# Altium PCB PCB1.PcbDoc (part 4 of 5)
Units mm, origin at the board's own origin, x right, y up, seen from the top; angles counter-clockwise.
Board outline 140 x 90 mm, 6 copper layers (Top Layer, GND, Power, Layer 4, GND2, Bottom Layer), stack 1.503 mm thick; 176 components, 276 nets, 1448 pads, 686 vias.
Unrouted connection lines stored in the file: 7.
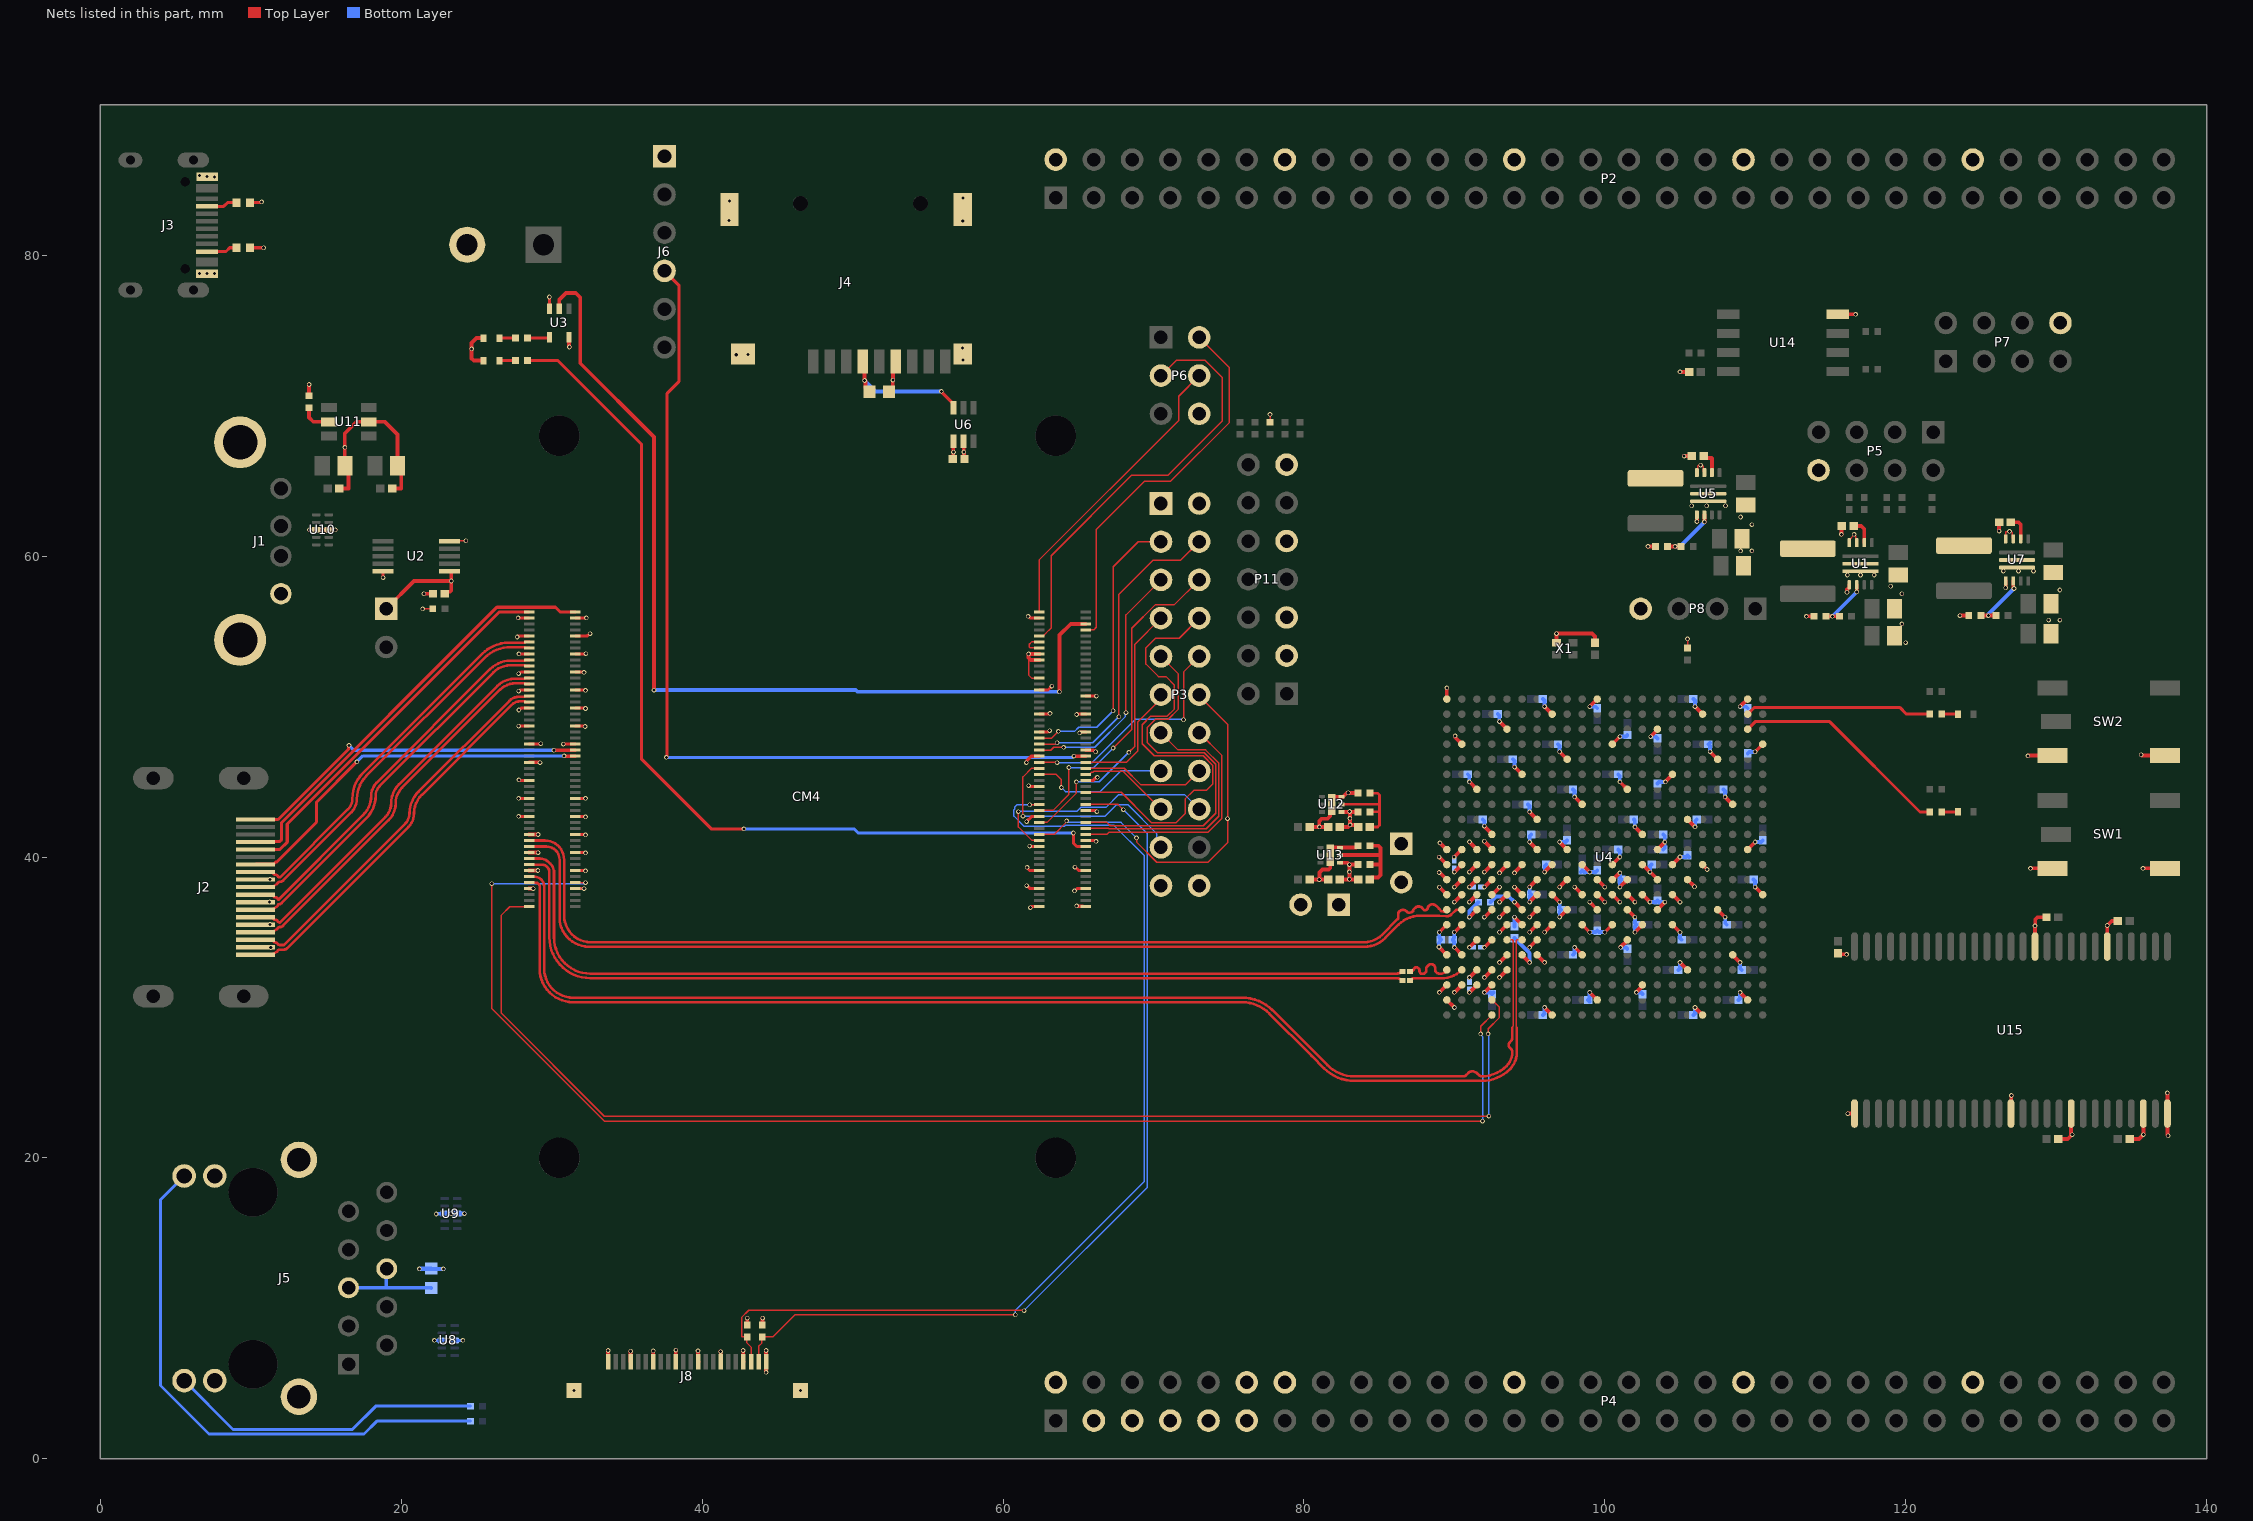
[diagram p8: the nets of this part, all layers, seen from the top]

## Via types
v1: diameter 0.305, hole 0.203, Top Layer to Bottom Layer, 686 vias

## Nets (pads, with @x,y where several pads share a name; then routed paths per layer and width w, separated by ;. In a path a pad name is that pad's centre, name@x,y a point inside that pad or via, vN(x,y) a via of type N, cw(c..) or ccw(c..) an arc to the next point about the centre after c; other vN are vias at no path point) (continued)
GND: C1.1 C4.1 C5.2 C6.2 C7.2 C8.2 C9.1 C10.2 C11.2 C12.2 C13.1 C14.1 C15.2 C16.2 C17.1 C18.1 C19.1 C20.2 C21.2 C22.2 C24.2 C25.2 C26.2 C27.2 C28.2 C29.1 C30.1 C31.1 C32.2 C33.2 C34.2 C35.2 C36.1 C37.1 C39.2 C40.2 C41.2 C42.2 C43.1 C44.1 C45.1 C46.2 C47.2 C48.2 C49.2 C50.2 C51.2 C52.2 C53.2 C54.2 C55.2 C56.1 C57.2 C58.2 C59.2 C60.1 C61.1 C62.1 C63.1 C64.2 C65.2 C66.2 C67.1 C68.1 C69.2 C70.2 C71.2 C72.2 C73.1 C74.1 C75.2 C76.2 C77.2 C78.2 C79.1 C80.1 C81.2 C82.1 C83.2 C84.1 C85.1 C86.2 C87.2 C88.2 C89.2 C90.2 C91.2 CM4.1 CM4.2 CM4.7 CM4.8 CM4.13 CM4.14 CM4.22 CM4.23 CM4.32 CM4.33 CM4.42 CM4.43 CM4.52 CM4.53 CM4.59 CM4.60 CM4.65 CM4.66 CM4.71 CM4.74 CM4.98 CM4.107 CM4.108 CM4.113 CM4.114 CM4.119 CM4.120 CM4.125 CM4.126 CM4.131 CM4.132 CM4.137 CM4.138 CM4.144 CM4.150 CM4.155 CM4.156 CM4.161 CM4.162 CM4.167 CM4.168 CM4.173 CM4.174 CM4.179 CM4.180 CM4.185 CM4.186 CM4.191 CM4.192 CM4.197 CM4.198 J1.4 J1.Shell J2.2 J2.5 J2.8 J2.11 J3.A1/B12 J3.A12/B1 J4.6 J4.MT1 J4.MT2 J4.MT3 J4.MT4 J5.11 J5.12 J6.1 J7.2 J8.1 J8.4 J8.7 J8.10 J8.13 J8.16 J8.19 J8.MP1 J8.MP2 P2.2 P2.14 P2.26 P2.38 P2.50 P3.21 P3.22 P4.2 P4.3 P4.5 P4.7 P4.9 P4.11 P4.12 P4.14 P4.26 P4.38 P4.50 P5.8 P6.6 P7.8 P8.4 P9.2 P10.2 P11.3 P11.5 P11.9 P11.13 R1.1 R2.1 R5.2 R6.2 R8.1 R13.1 R18.1 R25.1 R27.1 R32.1 R33.1 SW1.1 SW1.2 SW2.1 SW2.2 U1.3 U1.4 U1.10 U1.11 U2.5 U2.10 U3.3 U4.A2 U4.A3 U4.A5 U4.A7 U4.A9 U4.A10 U4.A11 U4.A12 U4.A22 U4.AA2 U4.AA12 U4.AA22 U4.AB9 U4.AB19 U4.B3 U4.B10 U4.B12 U4.B19 U4.C3 U4.C6 U4.C9 U4.C10 U4.C11 U4.C12 U4.C16 U4.D3 U4.D4 U4.D8 U4.D9 U4.D11 U4.D12 U4.D13 U4.E4 U4.E5 U4.E7 U4.E9 U4.E11 U4.E20 U4.F5 U4.F11 U4.F17 U4.G5 U4.G6 U4.G7 U4.G8 U4.G9 U4.G10 U4.G12 U4.G14 U4.H1 U4.H7 U4.H9 U4.H11 U4.H21 U4.J8 U4.J10 U4.J12 U4.J18 U4.K5 U4.K7 U4.K9 U4.K11 U4.K15 U4.L2 U4.L8 U4.L9 U4.L10 U4.L22 U4.M7 U4.M9 U4.M10 U4.M11 U4.M19 U4.N6 U4.N8 U4.N9 U4.N10 U4.N16 U4.P3 U4.P7 U4.P9 U4.P11 U4.P13 U4.R8 U4.R10 U4.R12 U4.R20 U4.T7 U4.T9 U4.T11 U4.T17 U4.U4 U4.U10 U4.U14 U4.V1 U4.V11 U4.V21 U4.W8 U4.W18 U4.Y5 U4.Y15 U5.3 U5.4 U5.10 U5.11 U6.2 U7.3 U7.4 U7.10 U7.11 U8.3@22.708,7.875 U8.8@23.543,7.875 U9.3@23.717,16.3 U9.8@22.882,16.3 U10.3@15.185,61.75 U10.8@14.35,61.75 U11.2 U12.3 U12.7 U13.3 U13.7 U14.4 U15.6 U15.12 U15.28 U15.41 U15.46 U15.52 U15.54 X1.2 | length 225.6
  Top Layer w0.1: v1(21.425,56.5) R2.1@22.1,56.5 ; U2.5@23.2,61 23.225,61.025 v1(24.3,61.025) ; R32.1@77.75,68.9 v1(77.75,69.425) ; R33.1@105.5,53.9 v1(105.5,54.5) ; U5.11@106.125,65.55 106.175,65.6 106.175,65.991 106.234,66.05 v1(106.375,66.05) 106.475,66.05 106.558,65.967 106.558,65.617 U5.10@106.625,65.55 ; U1.11@116.25,60.9 116.25,61.082 116.575,61.407 v1(116.575,61.45) 116.683,61.342 116.683,60.967 U1.10@116.75,60.9 ; U7.11@126.65,61.15 126.65,61.6 126.661,61.611 126.861,61.611 v1(126.9,61.65) 127,61.65 127.1,61.55 127.1,61.2 U7.10@127.15,61.15
  Top Layer w0.203: R6.2@9.95,80.5 v1(10.85,80.5) ; R5.2@9.95,83.5 10.648,83.5 10.698,83.55 v1(10.725,83.55) ; v1(18.8,58.575) U2.10@18.8,59 ; v1(27.7,54.625) 27.727,54.625 27.802,54.7 CM4.192@28.5,54.7 ; v1(27.775,55.9) CM4.198@28.5,55.9 ; v1(27.8,42.7) CM4.132@28.5,42.7 ; v1(27.8,43.9) CM4.138@28.5,43.9 ; v1(27.8,48.7) CM4.162@28.5,48.7 ; v1(27.8,51.025) 27.828,51.025 27.902,51.1 CM4.174@28.5,51.1 ; v1(27.8,52.189) ccw(c27.752,52.387) 27.896,52.243 27.951,52.298 28.498,52.298 CM4.180@28.5,52.3 ; v1(27.825,45.125) 27.853,45.125 27.876,45.102 28.498,45.102 CM4.144@28.5,45.1 ; v1(27.825,49.775) 27.853,49.775 27.976,49.898 28.498,49.898 CM4.168@28.5,49.9 ; v1(27.825,53.5) CM4.186@28.5,53.5 ; CM4.150@28.5,46.3 29.172,46.3 29.197,46.275 v1(29.225,46.275) ; CM4.156@28.5,47.5 29.206,47.5 29.248,47.542 v1(29.275,47.542) ; U3.3@29.85,76.45 v1(29.85,77.225) ; v1(30.775,47.5) CM4.155@31.58,47.5 ; CM4.107@31.58,37.9 31.582,37.898 v1(32.149,37.898) ; CM4.113@31.58,39.1 31.582,39.098 32.199,39.098 32.223,39.075 v1(32.25,39.075) ; CM4.119@31.58,40.3 31.582,40.298 32.199,40.298 32.223,40.275 v1(32.25,40.275) ; CM4.125@31.58,41.5 31.582,41.498 32.199,41.498 32.223,41.475 v1(32.25,41.475) ; CM4.131@31.58,42.7 31.582,42.698 32.199,42.698 32.223,42.675 v1(32.25,42.675) ; CM4.137@31.58,43.9 v1(32.25,43.9) ; CM4.161@31.58,48.7 31.582,48.698 32.174,48.698 32.197,48.675 v1(32.225,48.675) ; CM4.167@31.58,49.9 31.582,49.898 32.199,49.898 32.223,49.875 v1(32.25,49.875) ; CM4.173@31.58,51.1 31.582,51.098 32.199,51.098 32.223,51.075 v1(32.25,51.075) ; CM4.179@31.58,52.3 31.582,52.298 32.099,52.298 32.123,52.275 v1(32.15,52.275) ; CM4.185@31.58,53.5 31.582,53.502 32.224,53.502 32.248,53.525 v1(32.275,53.525) ; CM4.191@31.58,54.7 32.372,54.7 32.523,54.851 v1(32.551,54.851) ; CM4.197@31.58,55.9 v1(32.3,55.9) ; v1(61.55,46.272) 61.55,46.347 61.569,46.366 61.569,46.394 61.875,46.7 CM4.52@62.42,46.7 ; v1(61.575,38.1) 61.603,38.1 61.801,37.902 62.418,37.902 CM4.8@62.42,37.9 ; v1(61.575,42.349) 61.575,42.372 61.902,42.698 CM4.32@62.172,42.698 ; v1(61.6,39.315) 61.6,39.275 61.775,39.1 CM4.14@62.42,39.1 ; v1(61.675,56) 61.702,56 61.803,55.9 CM4.98@62.42,55.9 ; v1(61.7,44.75) 61.727,44.75 61.778,44.7 CM4.42@62.42,44.7 ; v1(61.775,40.725) 61.803,40.725 61.826,40.702 62.418,40.702 CM4.22@62.42,40.7 ; v1(61.817,36.631) 61.844,36.631 61.911,36.698 62.418,36.698 CM4.2@62.42,36.7 ; CM4.60@62.42,48.3 CM4.60@62.42,48.3 63.002,48.302 v1(63.1,48.4) ; CM4.66@62.42,49.5 63.051,49.5 63.098,49.547 v1(63.125,49.547) ; CM4.74@62.42,51.1 62.986,51.1 v1(63.248,51.362) ; v1(64.75,37.75) 64.766,37.75 64.916,37.9 CM4.7@65.5,37.9 ; v1(64.775,39.325) 64.803,39.325 65.026,39.102 CM4.13@65.5,39.1 CM4.13@65.5,39.1 ; v1(64.9,36.75) 64.919,36.731 65.306,36.731 65.306,36.702 65.307,36.7 CM4.1@65.5,36.7 ; v1(64.9,49.475) 64.927,49.475 64.951,49.498 CM4.65@65.5,49.5 CM4.65@65.5,49.5 ; v1(65.089,48.253) 65.117,48.253 65.162,48.298 65.498,48.298 CM4.59@65.5,48.3 ; CM4.23@65.5,41.1 65.502,41.098 66.105,41.098 66.163,41.041 v1(66.191,41.041) ; CM4.33@65.5,43.1 66.131,43.1 66.211,43.02 v1(66.238,43.02) ; CM4.43@65.5,45.1 65.502,45.102 66.002,45.102 66.199,45.299 66.273,45.299 v1(66.275,45.301) ; CM4.53@65.5,47.1 65.502,47.098 66.029,47.098 66.127,47 v1(66.155,47) ; CM4.71@65.5,50.7 66.2,50.7 v1(66.2,50.697) ; v1(32.149,37.898) 32.172,37.875 v1(32.149,37.898)
  Top Layer w0.254: R1.1@13.874,70.658 v1(13.874,71.408) ; v1(13.9,61.75) U10.8@14.35,61.75 v1(14.75,61.75) U10.3@15.185,61.75 v1(15.625,61.75) ; C85.1@15.89,64.5 16.5,64.5 16.5,65.75 C86.2@16.25,66 v1(16.25,67.23) 16.25,68.165 17.015,68.93 U11.2@17.84,68.93 18.888,68.93 18.91,68.908 18.924,68.908 19.75,68.082 C83.2@19.75,66 20,65.75 20,64.5 C63.1@19.39,64.5 ; v1(21.5,57.5) C56.1@22.11,57.5 ; CM4.108@28.5,37.9 v1(28.775,37.9) ; CM4.114@28.5,39.1 29.081,39.1 v1(29.086,39.105) ; CM4.120@28.5,40.3 29.09,40.3 v1(29.097,40.294) ; CM4.126@28.5,41.5 v1(29.1,41.5) ; J8.1@33.75,6.45 v1(33.75,7.2) ; J8.4@35.25,6.45 v1(35.25,7.15) ; J8.7@36.75,6.45 v1(36.75,7.175) ; J8.10@38.25,6.45 v1(38.25,7.225) ; v1(39.725,7.175) 39.735,7.165 39.735,6.466 J8.13@39.75,6.45 ; v1(41.225,7.125) 41.235,7.115 41.235,6.466 J8.16@41.25,6.45 ; v1(42.725,7.2) 42.735,7.19 42.735,6.466 J8.19@42.75,6.45 ; C46.2@52.425,70.925 52.675,71.175 v1(52.675,71.7) 52.685,71.71 52.685,72.76 J4.6@52.875,72.95 ; U6.2@57.375,67.65 57.39,67.635 57.39,66.935 v1(57.4,66.925) 57.41,66.915 57.41,66.48 C60.1@57.44,66.45 ; C62.1@80.39,38.5 81.014,38.5 v1(81.019,38.494) 81.025,38.5 C45.1@81.61,38.5 ; C61.1@80.39,42 v1(81.025,42) ; v1@81.035,38.574 81.035,38.976 81.234,39.175 81.65,39.175 81.75,39.275 81.75,40.115 U13.7@81.76,40.125 81.76,40.502 81.883,40.625 U13.3@82.41,40.625 ; C31.1@81.61,42 v1(81.025,42) ; U13.3@82.483,40.625 83.475,40.625 R27.1@83.6,40.75 ; R25.1@83.6,44.25 83.585,44.265 82.96,44.265 v1(82.95,44.275) 82.856,44.275 82.581,44 U12.3@82.51,44 81.983,44 81.86,43.877 U12.7@81.86,43.5 81.737,43.377 81.737,42.712 81.575,42.55 81.175,42.55 81.026,42.401 81.026,42.001 v1(81.025,42) ; v1(88.979,34.021) U4.A5@89.5,33.5 ; v1(88.988,39.997) 88.996,39.997 89.493,39.5 U4.A11@89.5,39.5 ; v1(88.99,38.97) 89.03,38.97 U4.A10@89.5,38.5 ; v1(89,31) U4.A3@89.5,31.5 ; v1(89,35) U4.A7@89.5,35.5 ; v1(89.008,37.992) U4.A9@89.5,37.5 ; v1(89.034,40.94) 89.047,40.94 89.487,40.5 U4.A12@89.5,40.5 ; U4.A2@89.5,30.5 v1(90,30) ; U4.A22@89.5,50.5 v1(89.5,51.25) ; v1(89.985,39.994) 89.99,39.994 90.496,40.5 U4.B12@90.5,40.5 ; v1(90,31) U4.B3@90.5,31.5 ; v1(90,38) U4.B10@90.5,38.5 ; v1(90.051,48.051) 90.061,48.042 90.061,47.953 90.5,47.515 U4.B19@90.5,47.5 ; v1(91,31) U4.C3@91.5,31.5 ; v1(91,34) 91.009,34 91.504,34.496 U4.C6@91.5,34.5 ; v1(91,37) U4.C9@91.5,37.5 ; v1(91,38) U4.C10@91.5,38.5 ; v1(91,39) U4.C11@91.5,39.5 ; v1(91,45) U4.C16@91.5,44.5 ; v1(91.01,41.01) 91.01,41 91.5,40.51 U4.C12@91.5,40.5 ; v1(92,31) U4.D3@92.5,31.5 ; v1(92,32) U4.D4@92.5,32.5 ; v1(92,36) U4.D8@92.5,36.5 ; v1(92,39) U4.D11@92.5,39.5 ; v1(92,41.051) 92,41.037 92.5,40.537 U4.D12@92.5,40.5 ; v1(92,42.051) 92,42.038 92.5,41.538 U4.D13@92.5,41.5 ; U4.D9@92.5,37.5 92.5,37.486 93,37.986 v1(93,38) ; v1(93,32) U4.E4@93.5,32.5 ; v1(93,33) U4.E5@93.5,33.5 ; v1(93,35) U4.E7@93.5,35.5 ; v1(93,37) U4.E9@93.5,37.5 ; v1(93,38.949) 93,38.962 93.5,39.462 U4.E11@93.5,39.5 ; v1(93,49) U4.E20@93.5,48.5 ; v1(94,38.949) 94,38.962 94.5,39.462 U4.F11@94.5,39.5 ; v1(94.005,45.977) 94.014,45.977 94.491,45.5 U4.F17@94.5,45.5 ; U4.F5@94.5,33.5 v1(95,33) ; v1(95,34) U4.G6@95.5,34.5 ; v1(95,35) U4.G7@95.5,35.5 ; v1(95,36) U4.G8@95.5,36.5 ; v1(95,37) U4.G9@95.5,37.5 ; v1(95,38) U4.G10@95.5,38.5 ; v1(95,41) U4.G12@95.5,40.5 ; v1(95,43) U4.G14@95.5,42.5 ; U4.G5@95.5,33.5 v1(96,33) ; v1(96,35) U4.H7@96.5,35.5 ; v1(96,39) U4.H11@96.5,39.5 ; v1(96,50) U4.H21@96.5,49.5 ; v1(96.005,30.005) 96.005,30 96.5,29.505 U4.H1@96.5,29.5 ; U4.H9@96.501,37.5 U4.H9@96.5,37.5 v1(97,37) ; X1.2@96.792,54.25 v1(96.792,54.85) 99.144,54.85 99.342,54.651 C9.1@99.342,54.24 ; v1(97,36) U4.J8@97.5,36.5 ; v1@97,37.999 v1(97,38) U4.J10@97.5,38.5 ; v1(97,41) U4.J12@97.5,40.5 ; v1(97,47) U4.J18@97.5,46.5 ; v1(98,34) U4.K5@98.5,33.5 ; v1(98,38) U4.K9@98.5,37.5 ; v1(98,44) U4.K15@98.5,43.5 ; U4.K7@98.5,35.5 v1(99,35) ; U4.K11@98.5,39.5 v1(99,39) ; v1(99,31) U4.L2@99.5,30.5 ; v1(99,37) U4.L8@99.5,36.5 ; v1(99,50) U4.L22@99.5,50.5 ; U4.L9@99.5,37.5 v1(100,37) ; U4.L10@99.5,38.5 v1(100,38) ; v1(100,35) U4.M7@100.5,35.5 ; U4.M9@100.5,37.5 v1(101,37) ; U4.M10@100.5,38.5 100.538,38.5 100.986,38.949 v1(101,38.949) ; U4.M11@100.5,39.5 v1(101,40) ; U4.M19@100.5,47.5 v1(101,48) ; v1(101,38) U4.N10@101.5,38.5 ; v1(101,45) U4.N16@101.5,44.5 ; v1(101.051,34) 101.051,34.014 101.5,34.462 U4.N6@101.5,34.5 ; U4.N8@101.5,36.5 v1(102,36) ; U4.N9@101.5,37.5 v1(102,37) ; v1(102,35) U4.P7@102.5,35.5 ; v1(102,42) U4.P13@102.5,41.5 ; v1(102.094,31) 102.104,31.01 102.104,31.037 102.5,31.433 U4.P3@102.5,31.5 ; U4.P9@102.5,37.5 v1(103,37) ; U4.P11@102.5,39.5 v1(103,39) 103.018,39 103.518,38.5 U4.R10@103.5,38.5 ; v1(102.875,60.65) R13.1@103.375,60.65 ; v1(103.051,48) 103.051,48.014 103.5,48.462 U4.R20@103.5,48.5 ; U4.R8@103.5,36.5 v1(104,37) ; U4.R12@103.5,40.5 v1(104,41) ; v1(104.03,45.002) 104.03,45.016 104.5,45.486 U4.T17@104.5,45.5 ; U4.T7@104.5,35.5 v1(105,35) ; U4.T9@104.5,37.5 v1(105,37) ; U4.T11@104.5,39.5 v1(105,40) ; v1(105,33) U4.U4@105.5,32.5 ; v1(105,72.25) C82.1@105.61,72.25 ; v1(105.275,66.65) C52.2@105.785,66.65 ; U4.U10@105.5,38.5 105.5,38.495 105.964,38.032 v1(105.964,38.027) ; U4.U14@105.5,42.5 v1(106,42) ; v1(106,30) U4.V1@106.5,29.5 ; v1(106,50) U4.V21@106.5,49.5 ; v1@106.12,62.295 v1(106.12,62.305) 106.123,62.308 106.123,62.748 U5.4@106.125,62.75 ; U4.V11@106.5,39.5 106.5,39.483 106.8,39.184 v1(106.8,39.17) ; v1(107,47.001) U4.W18@107.5,46.5 ; U4.W8@107.5,36.5 v1(107.999,36.001) ; v1(108,44) U4.Y15@108.5,43.5 ; U4.Y5@108.5,33.5 v1(109,33) ; v1(109,31) U4.AA2@109.5,30.5 ; v1(109,50) U4.AA22@109.5,50.5 ; U4.AA12@109.5,40.5 v1(110,41) ; v1(110,38) U4.AB9@110.5,37.5 ; v1(110,47) U4.AB19@110.5,47.5 ; v1(113.4,56) R8.1@113.9,56 ; C90.2@115.5,33.61 115.575,33.535 116.065,33.535 v1(116.075,33.525) ; U14.4@115.5,76.08 115.503,76.077 116.672,76.077 v1(116.675,76.075) ; v1(115.725,61.45) 115.735,61.46 115.735,61.975 C49.2@115.76,62 ; v1(116.1,57.6) 116.11,57.61 116.11,57.789 116.25,57.929 U1.4@116.25,58.1 ; v1(116.15,22.95) U15.28@116.6,22.95 ; v1(123.6,56.05) R18.1@124.2,56.05 ; v1(126.21,61.66) C55.2@126.21,62.25 ; v1(126.65,57.9) U7.4@126.65,58.35 ; U15.41@127,22.95 127.015,22.965 127.015,24.14 v1(127.025,24.15) ; v1(128.125,46.725) 128.139,46.725 128.164,46.75 SW2.1@129.75,46.75 ; v1(128.3,39.25) SW1.1@129.75,39.25 ; U15.12@128.6,34.05 v1(128.6,35.425) 128.61,35.435 128.61,35.851 128.759,36 C89.2@129.36,36 ; C87.2@130.14,21.25 130.775,21.25 131,21.475 U15.46@131,22.95 ; U15.6@133.4,34.05 v1(133.4,35.451) 133.699,35.75 C91.2@134.11,35.75 ; C88.2@134.89,21.25 135.5,21.25 v1(135.8,21.55) U15.52@135.8,22.95 ; v1(135.65,46.8) 135.664,46.8 135.714,46.75 SW2.2@137.25,46.75 ; v1(135.775,39.25) SW1.2@137.25,39.25 ; v1(137.4,24.325) U15.54@137.4,22.95 137.4,21.525 v1(137.45,21.475)
  Bottom Layer w0.203: v1(22.2,7.875) U8.3@22.708,7.875 v1(23.125,7.875) v1(24.1,7.875) U8.8@23.543,7.875
  Bottom Layer w0.254: C1.1@22,12.65 21.239,12.65 21.214,12.625 v1(21.2,12.625) 21.225,12.6 21.993,12.6 22.018,12.625 v1(22.8,12.625) ; v1(22.325,16.275) 22.335,16.285 22.867,16.285 U9.8@22.882,16.3 v1(23.325,16.3) v1(24.2,16.3) ; v1(88.979,34.021) 88.979,34.185 cw(c89.425,34.185) C84.1@89.11,34.5 ; v1(89,35) 89,34.766 ccw(c89.376,34.766) C84.1@89.11,34.5 ; v1(90,30) v1@90.01,29.99 ; C72.2@90.89,45.5 90.99,45.4 90.99,45.01 v1(91,45) ; C73.1@91.89,42.5 91.99,42.4 91.99,42.061 v1(92,42.051) ; v1@91.99,32.01 v1(92,32) ; v1@91.99,35.99 v1(92,36) ; v1(92,31) 92.01,30.99 92.4,30.99 C75.2@92.5,30.89 C75.2@92.6,30.99 ; C70.2@92.89,49.5 92.99,49.4 92.99,49.01 v1(93,49) ; v1@92.99,37.99 v1(93,38) ; v1(93,35) v1@93.01,35.01 ; C69.2@93.89,46.5 93.995,46.395 93.995,45.987 v1(94.005,45.977) ; C4.1@94,34.61 95,33.61 v1(95,33) ; C71.2@94.89,43.5 94.99,43.4 94.99,43.01 v1(95,43) ; v1@94.99,37.01 v1(95,37) 95.01,37.01 95.01,37.4 C11.2@95.11,37.5 95.01,37.6 95.01,37.99 v1(95,38) ; v1(95,41) 95.01,41.01 95.01,41.4 C18.1@95.11,41.5 ; C78.2@95.89,29.5 95.995,29.605 95.995,29.995 v1(96.005,30.005) ; C74.1@95.89,50.5 95.99,50.4 95.99,50.01 v1(96,50) ; v1(96,39) 96.01,39.01 96.01,39.4 C17.1@96.11,39.5 ; C27.2@96.89,47.5 96.99,47.4 96.99,47.01 v1(97,47) ; v1(97,36) 97.01,36.01 97.01,36.4 C12.2@97.11,36.5 97.01,36.6 97.01,36.99 v1(97,37) ; v1(97,41) 97.01,41.01 97.395,41.01 C30.1@97.496,41.11 ; C79.1@97.89,33.5 97.99,33.6 97.99,33.99 v1(98,34) ; C28.2@97.89,44.5 97.99,44.4 97.99,44.01 v1(98,44) ; C15.2@98.4,39.01 C15.2@98.5,39.11 98.6,39.01 98.99,39.01 v1(99,39) 99.01,39.01 99.4,39.01 C19.1@99.5,39.11 ; C76.2@98.995,30.395 C76.2@98.89,30.5 98.99,30.6 98.99,30.99 v1(99,31) ; v1(99,35) 99.01,35.01 99.4,35.01 C14.1@99.5,35.11 99.6,35.01 99.99,35.01 v1(100,35) ; v1(99,50) 99.01,49.99 99.4,49.99 C26.2@99.5,49.89 ; C81.2@100.89,40.5 100.99,40.4 100.99,40.01 v1(101,40) v1@101.01,39.99 ; C25.2@100.89,45.5 100.99,45.4 100.99,45.01 v1(101,45) ; v1(101,38) 101.01,38.01 101.01,38.4 C16.2@101.11,38.5 101.01,38.6 101.01,38.939 v1(101,38.949) ; v1(101,48) 101.01,48.01 101.4,48.01 C29.1@101.5,48.11 ; v1(101.051,34) 101.061,33.99 101.4,33.99 C77.2@101.5,33.89 ; C39.2@101.934,42.5 101.99,42.444 101.99,42.01 v1(102,42) ; v1(102,35) 102.01,35.01 102.01,35.4 C13.1@102.11,35.5 102.01,35.6 102.01,35.99 v1(102,36) ; v1(102.094,31) 102.104,30.99 102.4,30.99 C80.1@102.5,30.89 ; v1(103,37) 103.01,37.01 103.4,37.01 C10.2@103.5,37.11 103.6,37.01 103.99,37.01 v1(104,37) ; v1(103,39) 103.01,39.01 103.01,39.4 C21.2@103.11,39.5 ; v1(103.051,48) 103.061,47.99 103.4,47.99 C42.2@103.5,47.89 ; C44.1@103.504,44.89 103.607,44.992 104.02,44.992 v1(104.03,45.002) ; C20.2@103.89,40.5 103.99,40.6 103.99,40.99 v1(104,41) 103.99,41.01 103.99,41.4 C22.2@103.89,41.5 ; C36.1@104.89,32.5 104.99,32.6 104.99,32.99 v1(105,33) ; v1(105,35) 105.01,34.99 105.01,34.6 C32.2@105.11,34.5 ; v1(105,40) 105.01,40.01 105.4,40.01 C24.2@105.5,40.11 C24.2@105.6,40.01 ; C34.2@105.89,29.5 105.99,29.6 105.99,29.99 v1(106,30) ; C41.2@105.89,50.5 105.99,50.4 105.99,50.01 v1(106,50) ; v1(106,42) 106.01,42.01 106.01,42.4 C66.2@106.11,42.5 ; C43.1@106.99,47.6 C43.1@106.89,47.5 106.99,47.4 106.99,47.011 v1(107,47.001) ; C64.2@107.89,44.5 107.99,44.4 107.99,44.01 v1(108,44) ; v1(107.999,36.001) 108.009,35.991 108.009,35.601 C35.2@108.11,35.5 ; C37.1@108.89,30.5 108.99,30.6 108.99,30.99 v1(109,31) ; v1(109,33) 109.01,32.99 109.01,32.6 C33.2@109.11,32.5 ; v1(109,50) 109.01,49.99 109.4,49.99 C40.2@109.5,49.89 ; C65.2@109.5,46.89 109.6,46.99 109.99,46.99 v1(110,47) ; C68.1@109.89,38.5 109.99,38.4 109.99,38.01 v1(110,38) ; v1(110,41) 110.01,41.01 110.4,41.01 C67.1@110.5,41.11